# Allegro board RK_EXCAVATOR_MAIN_V12_20161114_FZBFINAL.brd
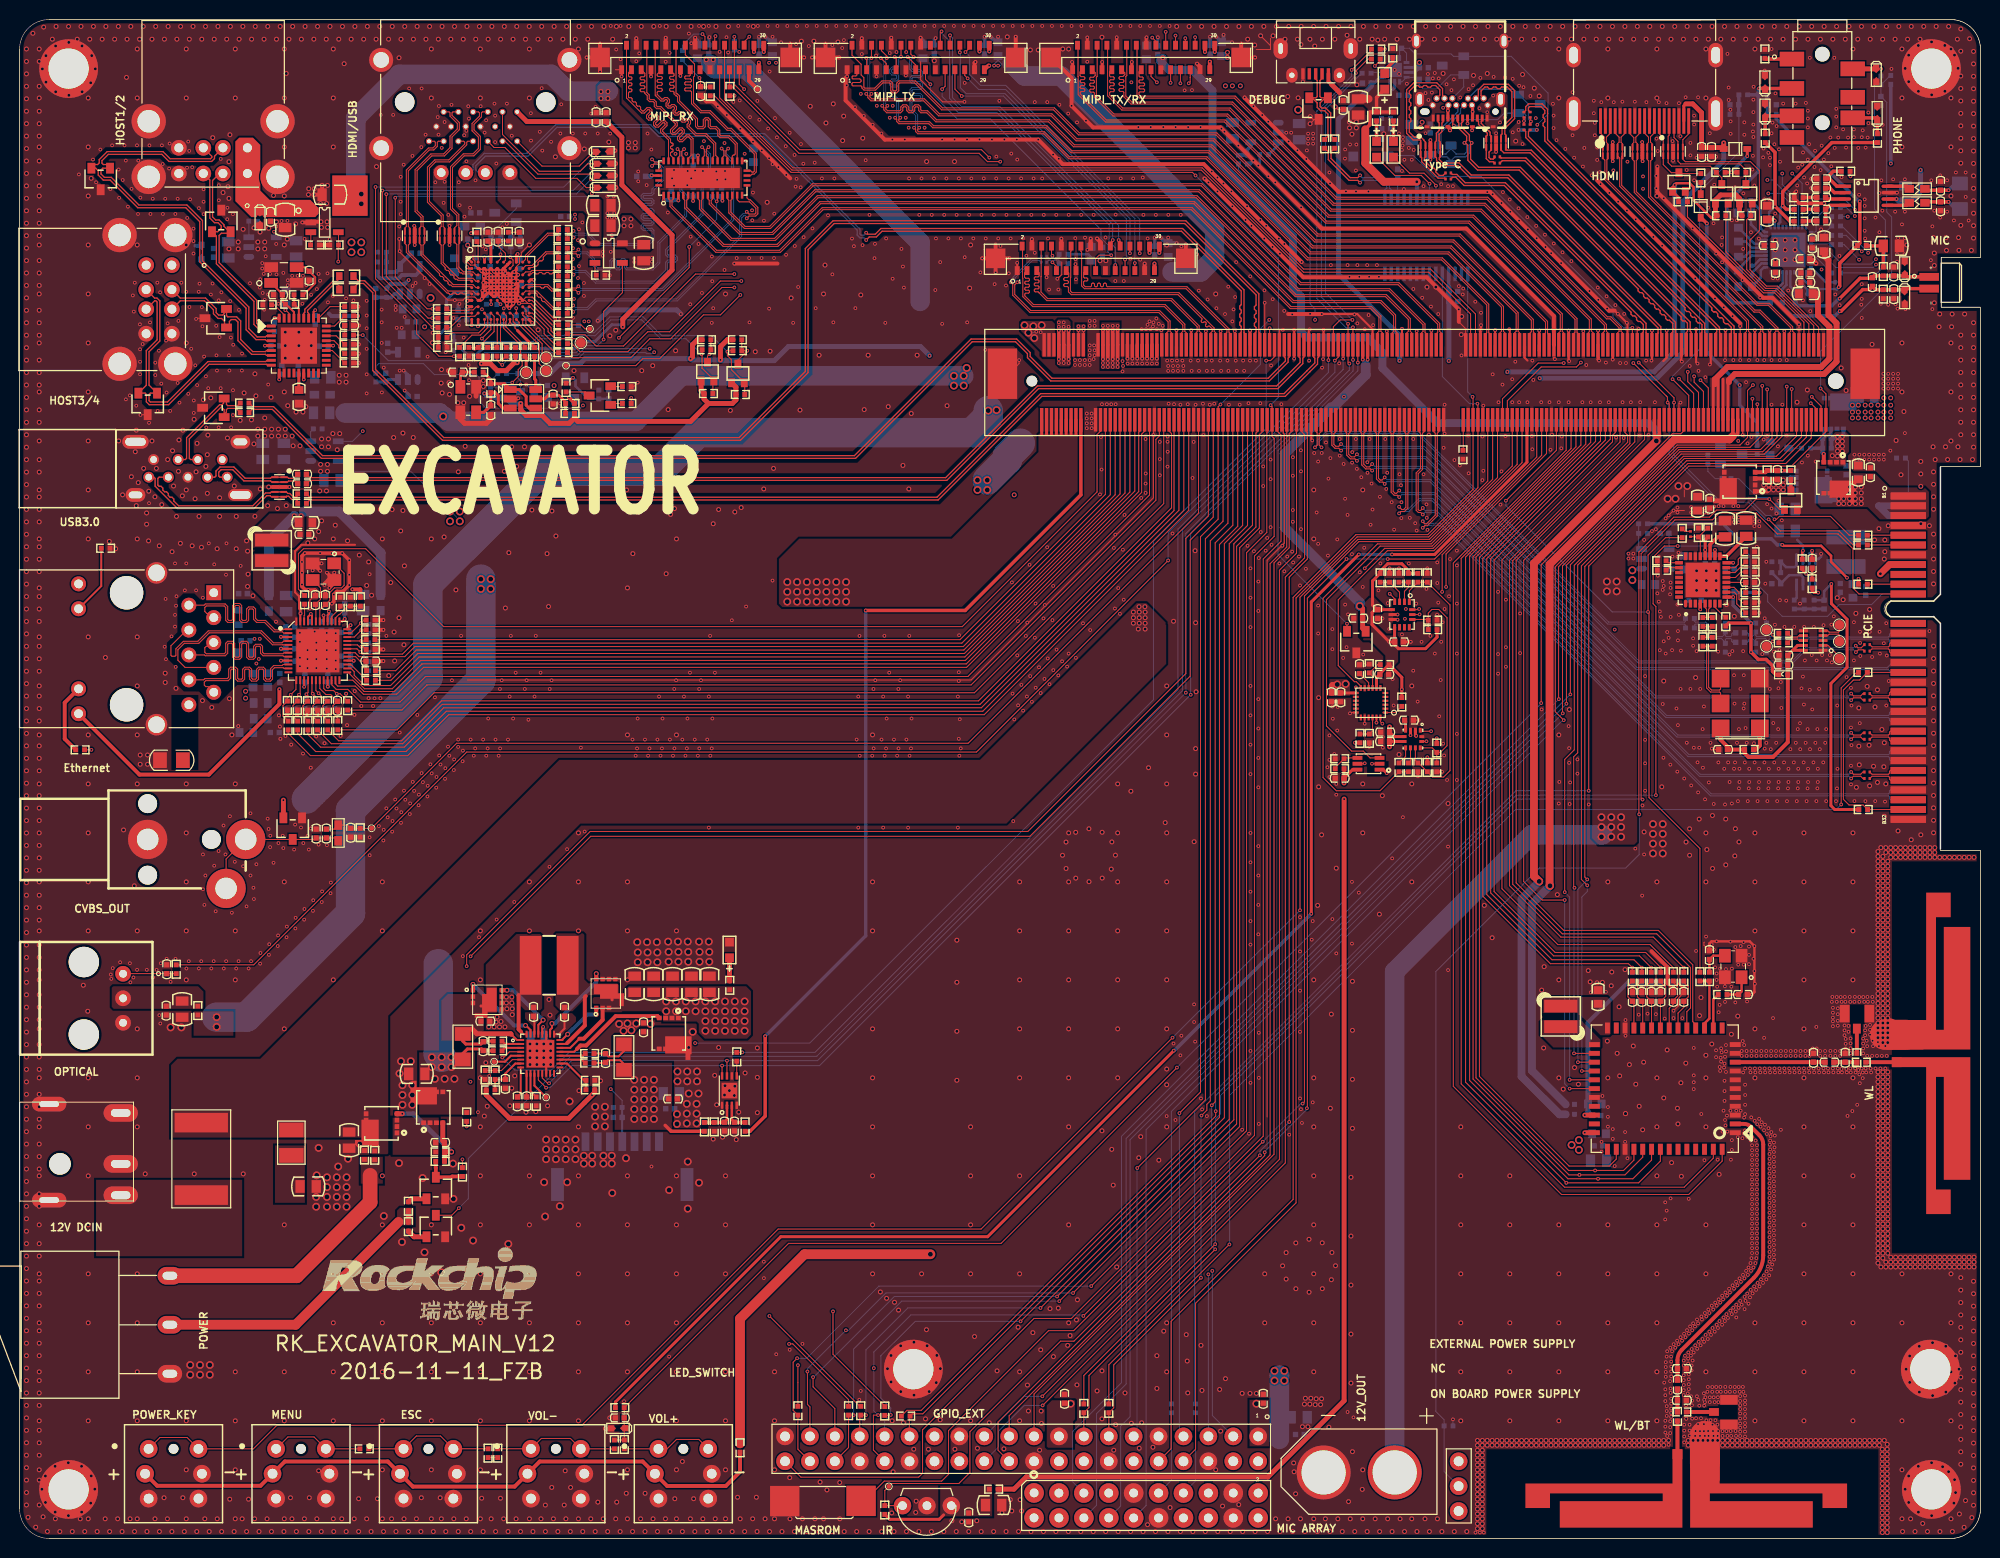
[diagram p0: board, top side]
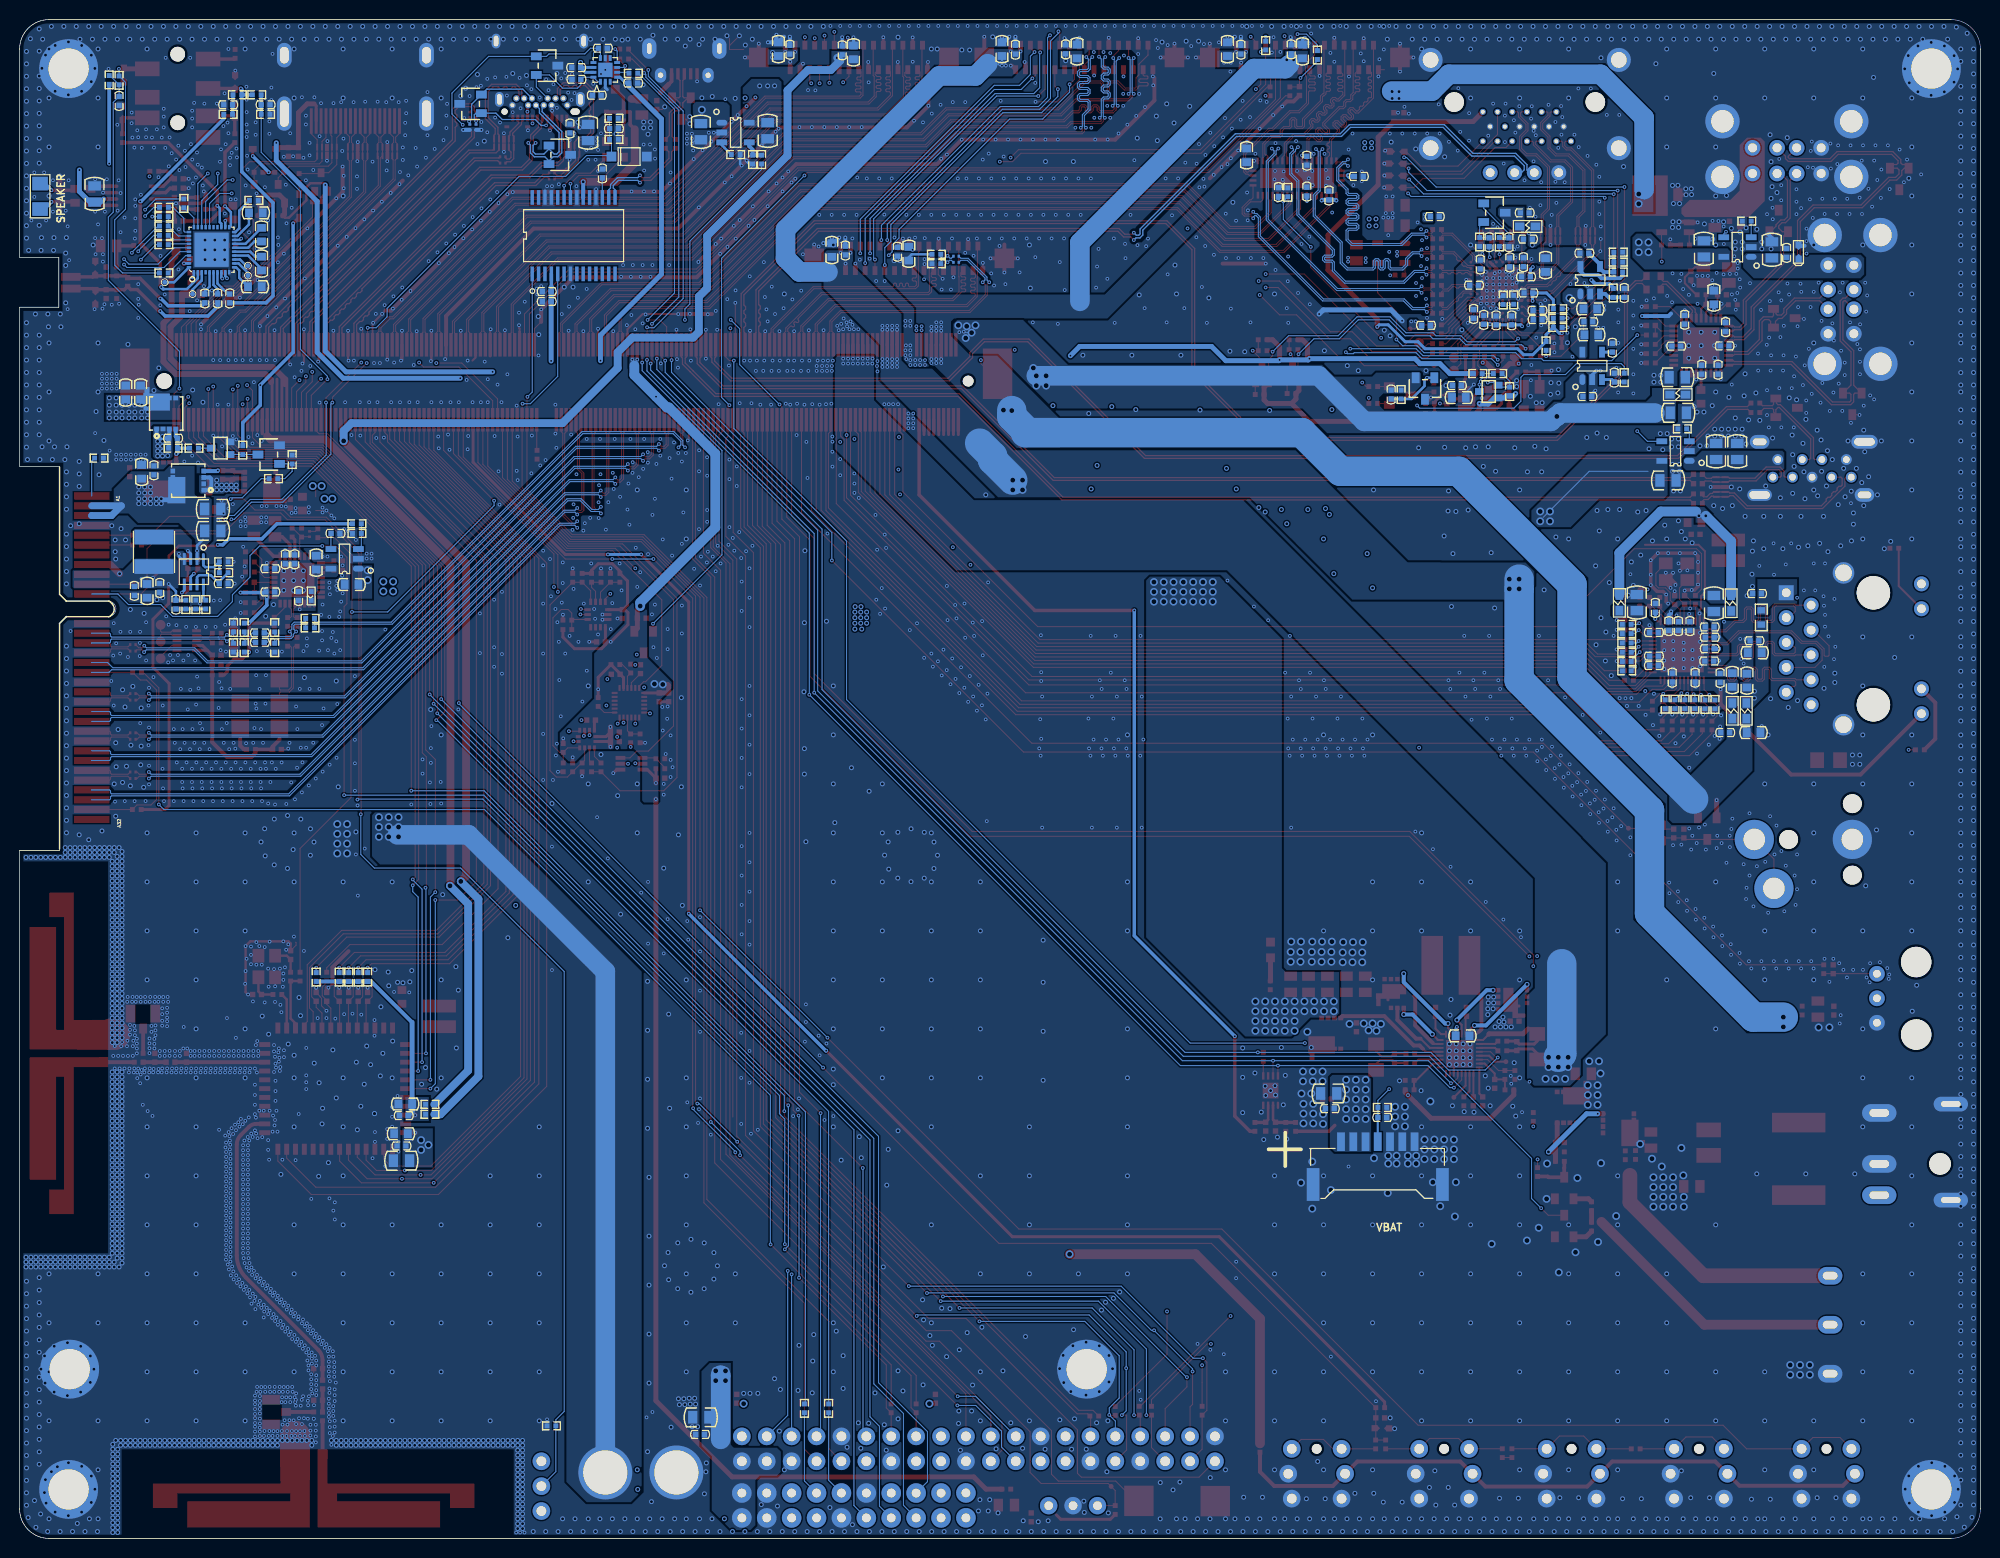
[diagram p1: board, bottom side, seen from below]

Outline 200 x 155 mm; copper layers: TOP, GND1, POWER, S1, GND2, BOTTOM. Coordinates in mm from the lower left corner of the outline.
Outline path: 0,152 0,3 ; 0,152 arc(0.88,154.12) 3,155 ; 0,152 0,3 ; 0,3 arc(0.88,0.88) 3,0 ; 3,155 197,155 ; 3,155 197,155 ; 197,155 arc(199.12,154.12) 200,152 ; 197,155 arc(199.12,154.12) 200,152 ; 3,0 197,0 ; 3,0 197,0 ; 197,0 arc(199.12,0.88) 200,3 ; 197,0 arc(199.12,0.88) 200,3 ; 195.92,109.4 200,109.4 ; 195.92,109.4 195.92,96.34 195.24,95.66 190.96,95.66 arc(190.18,94.87) 190.96,94.08 195.24,94.08 195.92,93.4 195.92,70.2 ; 195.92,109.4 200,109.4 ; 200,109.4 200,125.65 ; 200,109.4 200,125.65 ; 195.92,70.2 200,70.2 ; 195.92,70.2 200,70.2 ; 200,70.2 200,3 ; 200,70.2 200,3 ; 196,130.75 196,125.65 ; 196,130.75 200,130.75 ; 196,130.75 196,125.65 ; 196,130.75 200,130.75 ; 196,125.65 200,125.65 ; 196,125.65 200,125.65 ; 200,130.75 200,152 ; 200,130.75 200,152

## Design rules (mm)
net group DIFFPAIR0: nets N15446570 N15446574
net group DIFFPAIR1: nets N15446739 N15446741
net group EDP_AUX: nets EDP_AUXN EDP_AUXP
net group EDP_TX0: nets EDP_TX0N EDP_TX0P
net group EDP_TX1: nets EDP_TX1N EDP_TX1P
net group EDP_TX2: nets EDP_TX2N EDP_TX2P
net group EDP_TX3: nets EDP_TX3N EDP_TX3P
net group EDPAUX: nets EDPAUXN EDPAUXP
net group HOST0_DM: nets HOST0_DM N15325611
net group HOST0_DP: nets HOST0_DP N15325615
net group HOST1_D: nets HOST1_DM HOST1_DP
net group HOST_D1: nets HOST_D1M HOST_D1P
net group HOST_D2: nets HOST_D2M HOST_D2P
net group HOST_D3: nets HOST_D3M HOST_D3P
net group HOST_D4: nets HOST_D4M HOST_D4P
net group MIC_IN2: nets MIC_IN2N MIC_IN2P
net group MIPI_RX_CLKN: nets MIPI_RX_CLKN N66050369
net group MIPI_RX_CLKP: nets MIPI_RX_CLKP N66050367
net group MIPI_RX_D0N: nets MIPI_RX_D0N N66050373
net group MIPI_RX_D0P: nets MIPI_RX_D0P N66050371
net group MIPI_RX_D1N: nets MIPI_RX_D1N N66050377
net group MIPI_RX_D1P: nets MIPI_RX_D1P N66050375
net group MIPI_RX_D2N: nets MIPI_RX_D2N N66050381
net group MIPI_RX_D2P: nets MIPI_RX_D2P N66050379
net group MIPI_RX_D3N: nets MIPI_RX_D3N N66050385
net group MIPI_RX_D3P: nets MIPI_RX_D3P N66050383
net group N14726800: nets N14726800 N14726972
net group N14726864: nets N14726864 N14726968
net group PCIE_CLK: nets PCIE_CLKN PCIE_CLKP
net group PCIE_REF_CLK: nets PCIE_REF_CLKN PCIE_REF_CLKP
net group PCIE_RX0_: nets PCIE_RX0_N PCIE_RX0_P
net group PCIE_RX1_: nets PCIE_RX1_N PCIE_RX1_P
net group PCIE_RX2_: nets PCIE_RX2_N PCIE_RX2_P
net group PCIE_RX3_: nets PCIE_RX3_N PCIE_RX3_P
net group PCIE_TX0: nets PCIE_TX0N PCIE_TX0P
net group PCIE_TX0_: nets PCIE_TX0_N PCIE_TX0_P
net group PCIE_TX1: nets PCIE_TX1N PCIE_TX1P
net group PCIE_TX1_: nets PCIE_TX1_N PCIE_TX1_P
net group PCIE_TX2: nets PCIE_TX2N PCIE_TX2P
net group PCIE_TX2_: nets PCIE_TX2_N PCIE_TX2_P
net group PCIE_TX3: nets PCIE_TX3N PCIE_TX3P
net group PCIE_TX3_: nets PCIE_TX3_N PCIE_TX3_P
net group TYPEC0_D: nets TYPEC0_DM TYPEC0_DP
net group TYPEC0_RX1: nets TYPEC0_RX1N TYPEC0_RX1P
net group TYPEC0_RX2: nets TYPEC0_RX2N TYPEC0_RX2P
net group TYPEC0_SBU: nets TYPEC0_SBU1 TYPEC0_SBU2
net group TYPEC0_SBU_DC: nets TYPEC0_SBU1_DC TYPEC0_SBU2_DC
net group TYPEC0_TX1: nets TYPEC0_TX1N TYPEC0_TX1P
net group TYPEC0_TX2: nets TYPEC0_TX2N TYPEC0_TX2P
net group TYPEC_AUX: nets TYPEC_AUXM TYPEC_AUXP
net group TYPECTX1: nets TYPECTX1N TYPECTX1P
net group TYPECTX2: nets TYPECTX2N TYPECTX2P
net group USB3_DM: nets N15173581 USB3_DM
net group USB3_DP: nets N15173585 USB3_DP
net group USB3_SSRXN: nets USB3_SSRXN USB3_SSRXN_
net group USB3_SSRXP: nets USB3_SSRXP USB3_SSRXP_
net group USB3_SSTXN: nets USB3_SSTXN USB3_SSTXN_
net group USB3_SSTXP: nets USB3_SSTXP USB3_SSTXP_
net group CDCM61101__REF_CLKN: nets CDCM61101__REF_CLKN CLKN N16101038
net group CDCM61101__REF_CLKP: nets CDCM61101__REF_CLKP CLKP N16101042
net group M_ MIPI_RX00: nets #MIPI_RX0_CLKN #MIPI_RX0_CLKP #MIPI_RX0_D0N #MIPI_RX0_D0P #MIPI_RX0_D1N #MIPI_RX0_D1P #MIPI_RX0_D2N #MIPI_RX0_D2P #MIPI_RX0_D3N #MIPI_RX0_D3P
net group M_ MIPI_TX0: nets MIPI_TX0_CLKN MIPI_TX0_CLKP MIPI_TX0_D0N MIPI_TX0_D0P MIPI_TX0_D1N MIPI_TX0_D1P MIPI_TX0_D2N MIPI_TX0_D2P MIPI_TX0_D3N MIPI_TX0_D3P
net group M_HDMI_RX: nets HDMI_RX0+ HDMI_RX0- HDMI_RX1+ HDMI_RX1- HDMI_RX2+ HDMI_RX2- HDMI_RXC+ HDMI_RXC-
net group M_HDMI_TX: nets HDMI_TX0N HDMI_TX0P HDMI_TX1N HDMI_TX1P HDMI_TX2N HDMI_TX2P HDMI_TXCN HDMI_TXCP
net group M_MDIO: nets MDI0+ MDI0- MDI1+ MDI1- MDI2+ MDI2- MDI3+ MDI3-
net group M_MIPI_RX0: nets MIPI_RX0_CLKN MIPI_RX0_CLKP MIPI_RX0_D0N MIPI_RX0_D0P MIPI_RX0_D1N MIPI_RX0_D1P MIPI_RX0_D2N MIPI_RX0_D2P MIPI_RX0_D3N MIPI_RX0_D3P
net group M_MIPI_TX/RX: nets MIPI_TX1/RX1_CLKN MIPI_TX1/RX1_CLKP MIPI_TX1/RX1_D0N MIPI_TX1/RX1_D0P MIPI_TX1/RX1_D1N MIPI_TX1/RX1_D1P MIPI_TX1/RX1_D2N MIPI_TX1/RX1_D2P MIPI_TX1/RX1_D3N MIPI_TX1/RX1_D3P

## Placement (name value [footprint] x y rotation side)
ANT6101  -  [ANT_JACK]  188.71 52.74 90 top
ANT6102  ANT_DIPOLE_1  [ANT2_40R00X9R00]  197.97 49.1 180 top
ANT6103  -  [ANT_JACK]  173.54 11.59 0 top
ANT6104  ANT_DIPOLE_1  [ANT2_40R00X9R00]  169.6 2.1 90 top
BAT501  VBAT  [BATT_7PINS]  61.47 40.49 180 bottom
C501  10uF  [C0805]  33.61 40.65 270 top
C502  10uF  [C0805]  40.51 47.41 180 top
C503  100nF  [C0402]  47.28 50.24 90 top
C504  10nF  [C0402]  47.51 52.79 0 top
C505  22uF  [C0805]  62.74 56.55 90 top
C506  10nF  [C0402]  42.89 40.41 0 top
C507  47nF  [C0402]  55.58 53.74 270 top
C508  10uF  [C0805]  70.36 56.55 90 top
C509  22uF  [C0805]  68.53 56.55 90 top
C510  47nF  [C0402]  52.42 53.74 270 top
C511  10uF  [C0805]  66.6 56.55 90 top
C512  10uF  [C0805]  64.67 56.55 90 top
C513  2.2uF  [C0805]  29.43 35.92 0 top
C514  100nF  [C0402]  63.64 52.16 90 top
C515  100nF  [C0402]  59.77 49.02 270 top
C516  2.2uF  [C0603]  52.83 51.29 0 bottom
C517  1uF  [C0402]  49.54 46.39 90 top
C518  100nF  [C0402]  66.65 44.85 0 top
C519  100pF  [C0402]  51.73 44.6 270 top
C520  100pF  [C0402]  50.77 44.6 270 top
C521  100pF  [C0402]  61.01 42.97 180 bottom
C522  100nF  [C0402]  66.36 43.85 0 bottom
C523  10uF  [C0805]  66.47 45.41 0 bottom
C903  100nF  [C0402]  182.84 99.47 90 top
C904  15pF  [C0402]  184.06 95.3 270 bottom
C905  10uF  [C0805]  180.3 105.05 180 bottom
C906  10uF  [C0805]  180.3 102.82 180 bottom
C908  100nF  [C0402]  179.18 97.43 180 bottom
C1401  10uF  [C0805]  136.53 146.08 270 top
C1402  100nF  [C0402]  135.01 146.28 270 top
C1403  100nF  [C0402]  140.57 139.3 90 bottom
C1404  1uF  [C0402]  146.24 127.25 0 bottom
C1405  100nF  [C0402]  146.24 126.23 0 bottom
C2500  100nF  [C0402]  181.11 126.55 90 bottom
C2501  100nF  [C0402]  179.79 126.55 90 bottom
C2503  10uF  [C0805]  190.92 131.9 0 top
C2507  100pF  [C0402]  188.98 128.22 270 top
C2509  100pF  [C0402]  191.17 129.29 90 top
C2510  100pF  [C0402]  191.17 126.98 270 top
C2601  22pF  [C0402]  32.41 84.99 270 top
C2602  4.7nF  [C0402]  35.78 89.53 0 top
C2603  12pF  [C0402]  31.18 95.76 90 top
C2604  12pF  [C0402]  30.17 95.76 90 top
C2605  10uF  [C0603]  23.81 87.54 90 bottom
C2606  100nF  [C0402]  30.81 93.1 270 bottom
C2607  100nF  [C0402]  27.6 90.79 0 bottom
C2608  10uF  [C0603]  25.31 87.6 90 bottom
C2609  100nF  [C0402]  26.55 87.82 90 bottom
C2610  100nF  [C0402]  29.1 87.84 90 bottom
C2611  100nF  [C0402]  31.44 87.84 90 bottom
C2612  100nF  [C0402]  31.77 93.1 270 bottom
C2613  100nF  [C0402]  27.65 89.54 0 bottom
C2614  100nF  [C0402]  27.6 91.97 0 bottom
C2615  100nF  [C0402]  33.3 89.08 180 bottom
C2616  100nF  [C0402]  33.3 90.04 180 bottom
C2617  100nF  [C0402]  22.79 96.42 180 bottom
C2618  102/2KV  [C1206]  15.48 79.42 0 top
C2619  10uF  [C0805]  27.18 95.4 90 bottom
C2620  100nF  [C0402]  27.61 93.02 0 bottom
C2624  100nF  [C0402]  29.63 93.1 270 bottom
C2625  4.7uF  [C0603]  23.02 90.39 0 bottom
C2626  100nF  [C0402]  23.05 91.61 0 bottom
C2627  10uF  [C0603]  23.14 82.24 180 bottom
C2628  100nF  [C0402]  26.03 82.24 0 bottom
C2629  100nF  [C0402]  33.16 94.96 90 bottom
C2630  4.7uF  [C0603]  29.16 103.67 0 top
C2631  100nF  [C0402]  29.05 102.47 0 top
C2632  10uF  [C0805]  35.04 95.5 90 bottom
C2633  100nF  [C0402]  33.3 92.46 180 bottom
C4501  100nF  [C0402]  172.58 141.49 270 top
C4502  1uF  [C0402]  171.56 141.49 90 top
C4601  8pF  [C0402]  69.46 147.7 270 top
C4602  10uF  [C0603]  76.8 151.98 90 bottom
C4603  10uF  [C0603]  69.15 151.75 90 bottom
C4604  0.1uF  [C0402]  70.3 151.96 90 bottom
C4605  0.1uF  [C0402]  75.43 151.93 90 bottom
C4606  10uF  [C0603]  74.85 141.15 90 bottom
C4607  0.1uF  [C0402]  66.45 137.05 90 bottom
C4608  0.1uF  [C0402]  68.7 140.6 270 bottom
C4609  0.1uF  [C0402]  63.4 139 180 bottom
C4610  0.1uF  [C0402]  68.7 137.45 90 bottom
C4611  0.1uF  [C0402]  71.6 137.4 90 bottom
C4612  0.1uF  [C0402]  55.65 134.9 180 bottom
C4613  0.1uF  [C0402]  56.55 123.8 180 bottom
C4701  10uF  [C0603]  114.95 151.65 90 bottom
C4702  10uF  [C0603]  92.15 151.75 90 bottom
C4703  0.1uF  [C0402]  93.3 151.96 90 bottom
C4704  10uF  [C0603]  99.8 151.98 90 bottom
C4705  0.1uF  [C0402]  98.43 151.93 90 bottom
C4706  0.1uF  [C0402]  116.1 151.86 90 bottom
C4707  10uF  [C0603]  122.6 151.98 90 bottom
C4708  0.1uF  [C0402]  121.43 151.93 90 bottom
C5001  100nF  [C0201]  104.48 130.23 0 bottom
C5002  100nF  [C0201]  104.48 130.85 180 bottom
C5003  10uF  [C0603]  109.3 131.1 90 bottom
C5004  0.1uF  [C0402]  110.45 131.31 90 bottom
C5005  10uF  [C0603]  117.15 131.48 90 bottom
C5006  0.1uF  [C0402]  115.78 131.43 90 bottom
C6101  10pF  [C0402]  184.61 48.6 0 top
C6102  DNP  [C0402]  182.98 49.05 90 top
C6103  DNP  [C0402]  186.2 49.05 90 top
C6104  10pF  [C0402]  169.1 15.7 270 top
C6105  DNP  [C0402]  169.55 17.32 0 top
C6106  DNP  [C0402]  169.55 14.1 0 top
C6107  DNP  [C0402]  165.46 55.27 270 top
C6108  DNP  [C0402]  164.5 55.27 270 top
C6109  DNP  [C0402]  166.43 55.27 270 top
C6110  DNP  [C0402]  167.4 55.27 270 top
C6111  DNP  [C0402]  169.75 55.27 270 top
C6112  8pF  [C0402]  175.78 55.51 0 top
C6113  8pF  [C0402]  172.36 59.53 90 top
C6114  DNP  [C0402]  168.68 55.27 270 top
C6115  4.7uF  [C0603]  161 55.26 90 top
C6116  4.7uF  [C0603]  161.1 41.3 0 bottom
C6117  4.7uF  [C0603]  160.67 44.33 0 bottom
C6118  100nF  [C0402]  160.82 43.15 0 bottom
C6119  10uF  [C0805]  161.05 38.55 0 bottom
C6120  100nF  [C0402]  161.05 40.05 0 bottom
C7101  4.7uF/10V  [C0603]  176 127.74 0 bottom
C7102  1uF  [C0402]  178.57 126.55 90 bottom
C7103  2.2uF/10V  [C0603]  175.32 133.05 90 bottom
C7104  2.2uF/10V  [C0603]  175.32 130.1 90 bottom
C7105  2.2uF/10V  [C0603]  178.25 135.3 90 top
C7106  2.2uF/10V  [C0603]  175.9 135.28 180 bottom
C7110  22pF  [C0402]  15.01 58.08 90 top
C7111  4.7uF/10V  [C0603]  184.05 132.05 90 top
C7112  0.1uF/10V  [C0402]  182.15 130.6 180 top
C7113  100nF  [C0402]  182.15 128.18 180 top
C7114  100nF  [C0402]  182.15 129.15 180 top
C7115  4.7uF  [C0603]  182.2 127.04 180 top
C7116  10uF  [C0805]  16.58 54.01 270 top
C7117  100nF  [C0402]  14.95 53.86 270 top
C7118  100nF  [C0402]  178.73 146.31 0 bottom
C7119  10nF  [C0402]  174.91 146.31 0 bottom
C7120  100nF  [C0402]  183.76 138.75 0 top
C7121  680pF  [C0402]  195.93 138.04 90 top
C7122  1uF  [C0402]  183.76 137.8 0 top
C7123  100nF  [C0402]  189.86 146.7 270 bottom
C7124  100nF  [C0402]  183.76 136.85 0 top
C7125  680pF  [C0402]  195.93 135.95 90 top
C7126  100nF  [C0402]  183.76 134.45 0 top
C7127  10uF  [C0805]  192.35 137.2 90 bottom
C7128  100nF  [C0402]  183.76 135.65 0 top
C7129  0.1uF/10V  [C0402]  178.4 131.95 0 top
C7130  0.1uF/10V  [C0402]  182.85 132.15 90 top
C7131  0.1uF/10V  [C0402]  179.1 129.65 90 top
C8001  0.1uF/10V  [C0402]  141.71 83.51 180 top
C8002  10nF/25V  [C0402]  134.76 85.83 270 top
C8003  1uF/10V  [C0402]  139.2 88.19 180 top
C8004  0.1uF/10V  [C0402]  133.8 85.83 90 top
C8005  0.1uF/10V  [C0402]  139.28 81.32 0 top
C8006  0.1uF/10V  [C0402]  139.28 82.29 0 top
C8007  0.1uF/10V  [C0402]  136.67 88.71 90 top
C8008  100nF  [C0402]  136.54 93.91 180 top
C8009  0.1uF/10V  [C0402]  138.52 94.33 90 top
C8010  0.1uF/10V  [C0402]  140.7 91.49 180 top
C8011  1uF/10V  [C0402]  134.64 77.58 180 top
C8101  1nF  [C0402]  61.22 12.3 180 top
C8301  100nF  [C0402]  179.9 89.14 180 top
C8302  100nF  [C0402]  179.9 90.13 180 top
C8303  100nF  [C0201]  188.44 91.21 0 top
C8304  100nF  [C0201]  188.44 90.55 0 top
C8305  100nF  [C0201]  188.44 86.21 0 top
C8306  100nF  [C0201]  188.44 85.55 0 top
C8307  100nF  [C0201]  188.44 82.21 0 top
C8308  100nF  [C0402]  175.49 91.45 0 bottom
C8309  100nF  [C0402]  175.49 92.41 0 bottom
C8310  100nF  [C0201]  188.44 81.55 0 top
C8311  100nF  [C0201]  188.44 78.21 0 top
C8312  100nF  [C0201]  188.44 77.55 0 top
C8313  100nF  [C0201]  170.42 102.5 270 top
C8314  10uF  [C0603]  187 96.7 270 bottom
C8315  100nF  [C0402]  188.3 96.7 270 bottom
C8316  22uF  [C0603]  189.18 116.94 90 bottom
C8317  22uF  [C0603]  187.65 116.94 90 bottom
C8318  22uF  [C0603]  187.55 108.78 90 top
C8319  100nF  [C0402]  188.77 108.81 90 top
C8320  22uF  [C0603]  187.55 108.85 90 bottom
C8321  10uF  [C0805]  176.12 103.08 90 top
C8322  10uF  [C0805]  173.96 103.03 90 top
C8323  10nF  [C0402]  184.35 112.28 180 bottom
C8324  100nF  [C0402]  176.51 97.58 0 top
C8325  4.7uF  [C0603]  166.14 97.35 0 bottom
C8326  4.7uF  [C0603]  169.75 99.58 90 bottom
C8327  100nF  [C0402]  174.43 96.59 180 bottom
C8328  100nF  [C0402]  174.43 98.96 180 bottom
C8329  100nF  [C0402]  172.9 99.92 270 bottom
C8330  100nF  [C0402]  171.93 99.92 270 bottom
C8331  100nF  [C0402]  171.54 96.18 90 bottom
C8332  100nF  [C0402]  167.78 102.57 180 bottom
C8333  10nF  [C0402]  179.29 108.53 90 top
C8337  100nF  [C0402]  185.7 97 270 bottom
C8341  100nF  [C0402]  186.3 109 90 bottom
C8343  22uF  [C0603]  171.15 105.6 270 top
C8344  100nF  [C0402]  172.4 105.6 270 top
C8502  100nF  [C0402]  58.8 145.05 90 top
C8503  1uF  [C0402]  59.82 145.05 270 top
C8504  0.1uF  [C0402]  54.41 116.23 90 top
C8505  8pF  [C0402]  44.71 119.03 180 top
C8506  8pF  [C0402]  48.06 115.14 90 top
C8507  0.1uF  [C0402]  47.77 132.85 90 top
C8508  1uF  [C0402]  46.15 132.6 0 bottom
C8509  0.1uF  [C0402]  46.48 135.28 180 bottom
C8510  5pF  [C0402]  48.09 132.28 90 bottom
C8511  0.01uF  [C0402]  50.11 132.28 90 bottom
C8512  150pF  [C0402]  50.96 132.85 270 top
C8513  150pF  [C0402]  48.81 132.85 90 top
C8515  4.7uF  [C0603]  44.36 129.95 270 bottom
C8516  0.1uF  [C0402]  46.61 130.24 90 bottom
C8517  0.1uF  [C0402]  51.02 130.01 90 bottom
C8518  0.1uF  [C0402]  51.69 124.96 270 bottom
C8519  0.1uF  [C0402]  45.16 124.39 0 bottom
C8520  0.1uF  [C0402]  51.65 127.89 0 bottom
C8521  0.1uF  [C0402]  45.18 125.33 0 bottom
C8522  0.1uF  [C0402]  48 130.22 90 bottom
C8525  0.1uF  [C0402]  47.8 124.3 270 bottom
C8526  0.1uF  [C0402]  49.4 124.3 270 bottom
C8527  0.1uF  [C0402]  46.1 127.1 180 bottom
C8528  0.1uF  [C0402]  46.35 128.75 180 bottom
C8901  12P  [C0402]  29.53 128.87 270 top
C8902  475  [C0603]  27.18 126.64 90 bottom
C8903  10uF  [C0805]  27.09 134.59 270 top
C8905  100nF  [C0402]  25.59 134.87 270 top
C8906  12P  [C0402]  26.36 126.92 180 top
C8907  0.1uF  [C0402]  33.61 123.78 180 top
C8909  100nF  [C0402]  19.77 131.19 90 bottom
C8910  10uF  [C0805]  21.27 131.5 90 bottom
C8911  10uF  [C0805]  30.81 114.88 0 bottom
C8912  10uF  [C0805]  30.92 118.49 180 bottom
C8913  0.1uF  [C0402]  31.02 121.68 0 bottom
C8914  0.1uF  [C0402]  25.98 123.62 90 bottom
C8915  0.1uF  [C0402]  26.09 121.7 180 bottom
C8916  0.1uF  [C0402]  30.16 124.37 90 bottom
C8917  0.1uF  [C0402]  26.76 119.27 270 bottom
C8918  0.1uF  [C0402]  28.42 119.27 270 bottom
C8919  475  [C0603]  28.5 116.5 90 top
C8922  0.1uF  [C0402]  28.81 108.6 0 top
C8923  0.1uF  [C0402]  28.81 107.63 0 top
C8924  10uF  [C0805]  59.5 133.97 0 top
C8925  10uF  [C0805]  26.95 110.93 90 bottom
C8926  1uF  [C0402]  137.42 148.53 180 bottom
C8927  100nF  [C0201]  153.44 144.02 90 top
C8928  220pF  [C0402]  143.21 148.9 0 bottom
C8929  100nF  [C0201]  154.08 144.02 90 top
C8930  220pF  [C0402]  140.51 152.08 180 bottom
C8931  100nF  [C0201]  150.71 140.36 180 top
C8932  100nF  [C0201]  150.71 141 180 top
C8933  100nF  [C0201]  145.72 138.73 180 top
C8934  100nF  [C0201]  145.72 139.35 180 top
C8939  100nF  [C0402]  139.38 143.87 180 bottom
C8940  10uF  [C0805]  63.65 131.21 270 top
C8941  10uF  [C0805]  31.68 137.13 180 top
C8942  10uF  [C0805]  28.21 131.6 90 bottom
C8943  10uF  [C0805]  31.87 107.97 180 bottom
C8944  10uF  [C0805]  24.8 110.93 90 bottom
C8945  1uF  [C0402]  141.13 147.28 0 bottom
C8946  1uF  [C0402]  143.23 150.1 0 bottom
C8947  22uF  [C0805]  142.02 143.48 270 bottom
C8948  100nF  [C0402]  143.87 143.89 270 bottom
C9001  20pF  [C0402]  31.28 71.93 270 top
C9002  100nF  [C0402]  96.81 2.14 270 top
C9003  10uF  [C0805]  99.35 3.4 0 top
C9004  10pF  [C0402]  33.78 72.02 270 top
C9005  390pF  [C0402]  30.24 71.93 90 top
C9006  100nF  [C0402]  106.59 14.25 90 top
C9007  100nF  [C0402]  126.85 14.25 90 top
C9008  10uF  [C0805]  130.51 12.36 0 bottom
C9009  100nF  [C0402]  130.59 10.61 0 bottom
C9010  10uF  [C0805]  59.5 136.05 0 top
C9011  100nF  [C0402]  173.75 80.51 180 top
C50035  NC  [C0402]  37.55 121.51 270 bottom
C50037  4.7uF  [C0603]  39.68 122.83 180 bottom
C50038  1uF  [C0402]  40.09 116.54 180 bottom
C50040  0.1uF  [C0402]  39.99 124.16 0 bottom
C50042  100nF  [C0402]  37.35 118.47 90 bottom
C50056  1uF  [C0402]  71.9 42.02 270 top
C50057  1uF  [C0402]  72.9 42.02 270 top
C50059  DNP  [C0402]  36.33 127.1 90 bottom
C50060  22pF  [C0402]  40.39 131.17 180 bottom
C50062  4.7uF  [C0603]  39.78 125.48 180 bottom
C50063  0.1uF  [C0402]  50.66 124.36 270 bottom
C50064  100nF  [C0402]  53.4 117.65 180 bottom
C50065  100nF  [C0402]  60.1 116.74 270 bottom
C50066  10uF  [C0603]  53.2 116.43 180 bottom
C90046  10uF  [C0805]  130.51 143.56 270 bottom
C90047  10uF  [C0805]  123.71 143.66 270 bottom
CON8901  USB_A_30  [USB30A9_25R70X7R32X13R85]  17.17 109.2 180 top
D4501  B5819WS  [SOD_323]  175.02 141.8 0 top
D4502  B5819WS  [SOD_323]  171.47 135.98 90 top
D8901  BZT52C3V3  [SOD_123]  137.83 141.02 0 bottom
D9001  BAT54S  [SOT_23]  27.86 72.43 180 top
ED2500  ESD5451N  [ESD0402]  192.28 129.64 90 top
ED2501  ESD5451N  [ESD0402]  192.28 126.65 270 top
ED7101  ESD5451N  [ESD0402]  189.47 145.49 90 top
ED7102  ESD5451N  [ESD0402]  189.38 149.34 270 top
ED7103  ESD5451N  [ESD0402]  178.03 145.74 90 top
ED7104  ESD5451N  [ESD0402]  178.02 148.61 90 top
ED8101  ESD5451N  [ESD0402]  61.03 11.23 180 top
ED8501  ESD5451N  [ESD0402]  59.6 137.87 0 top
ED8502  ESD5451N  [ESD0402]  59.6 139.09 0 top
ED8503  ESD5451N  [ESD0402]  59.6 140.31 0 top
ED8504  ESD5451N  [ESD0402]  59.49 141.53 0 top
ED8901  ESD5451N  [ESD0402]  24.52 134.69 270 top
ED8902  ESD5451N  [ESD0402]  18.56 131.29 90 bottom
F501  JK-SMD200L  [F8050]  18.53 38.73 90 top
FB2601  180R-100M  [L0603]  25.42 95.44 270 bottom
FB2602  180R-100M  [L0603]  23.88 84.46 90 bottom
FB2603  180R-100M  [L0603]  36.82 95.48 270 bottom
FB2604  180R-100M  [L0603]  25.3 84.46 90 bottom
FB7101  600R-100M  [L0603]  193.54 137.73 0 top
FB7102  600R-100M  [L0603]  193.54 136.31 0 top
FB8301  120R-100M  [L0402]  179.9 88.13 180 top
FB8302  120R-100M  [L0402]  170.26 96.18 270 bottom
H501  HOLE_4R10  [HOLE_C4R10_C6R00]  195 150 0 top
H502  HOLE_4R10  [HOLE_C4R10_C6R00]  5 5 0 top
H503  HOLE_4R10  [HOLE_C4R10_C6R00]  195 5 0 top
H504  HOLE_4R10  [HOLE_C4R10_C6R00]  5 150 0 top
H508  HOLE_4R10  [HOLE_C4R10_C6R00]  91.16 17.27 0 top